# Altium PCB orbital-r1.PcbDoc (part 2 of 3)
Units mm, origin at the board's own origin, x right, y up, seen from the top; angles counter-clockwise.
Board outline 86.5 x 91 mm, 4 copper layers (Top Layer, Layer 1, Layer 2, Bottom Layer), stack 1.586 mm thick; 276 components, 177 nets, 792 pads, 856 vias.
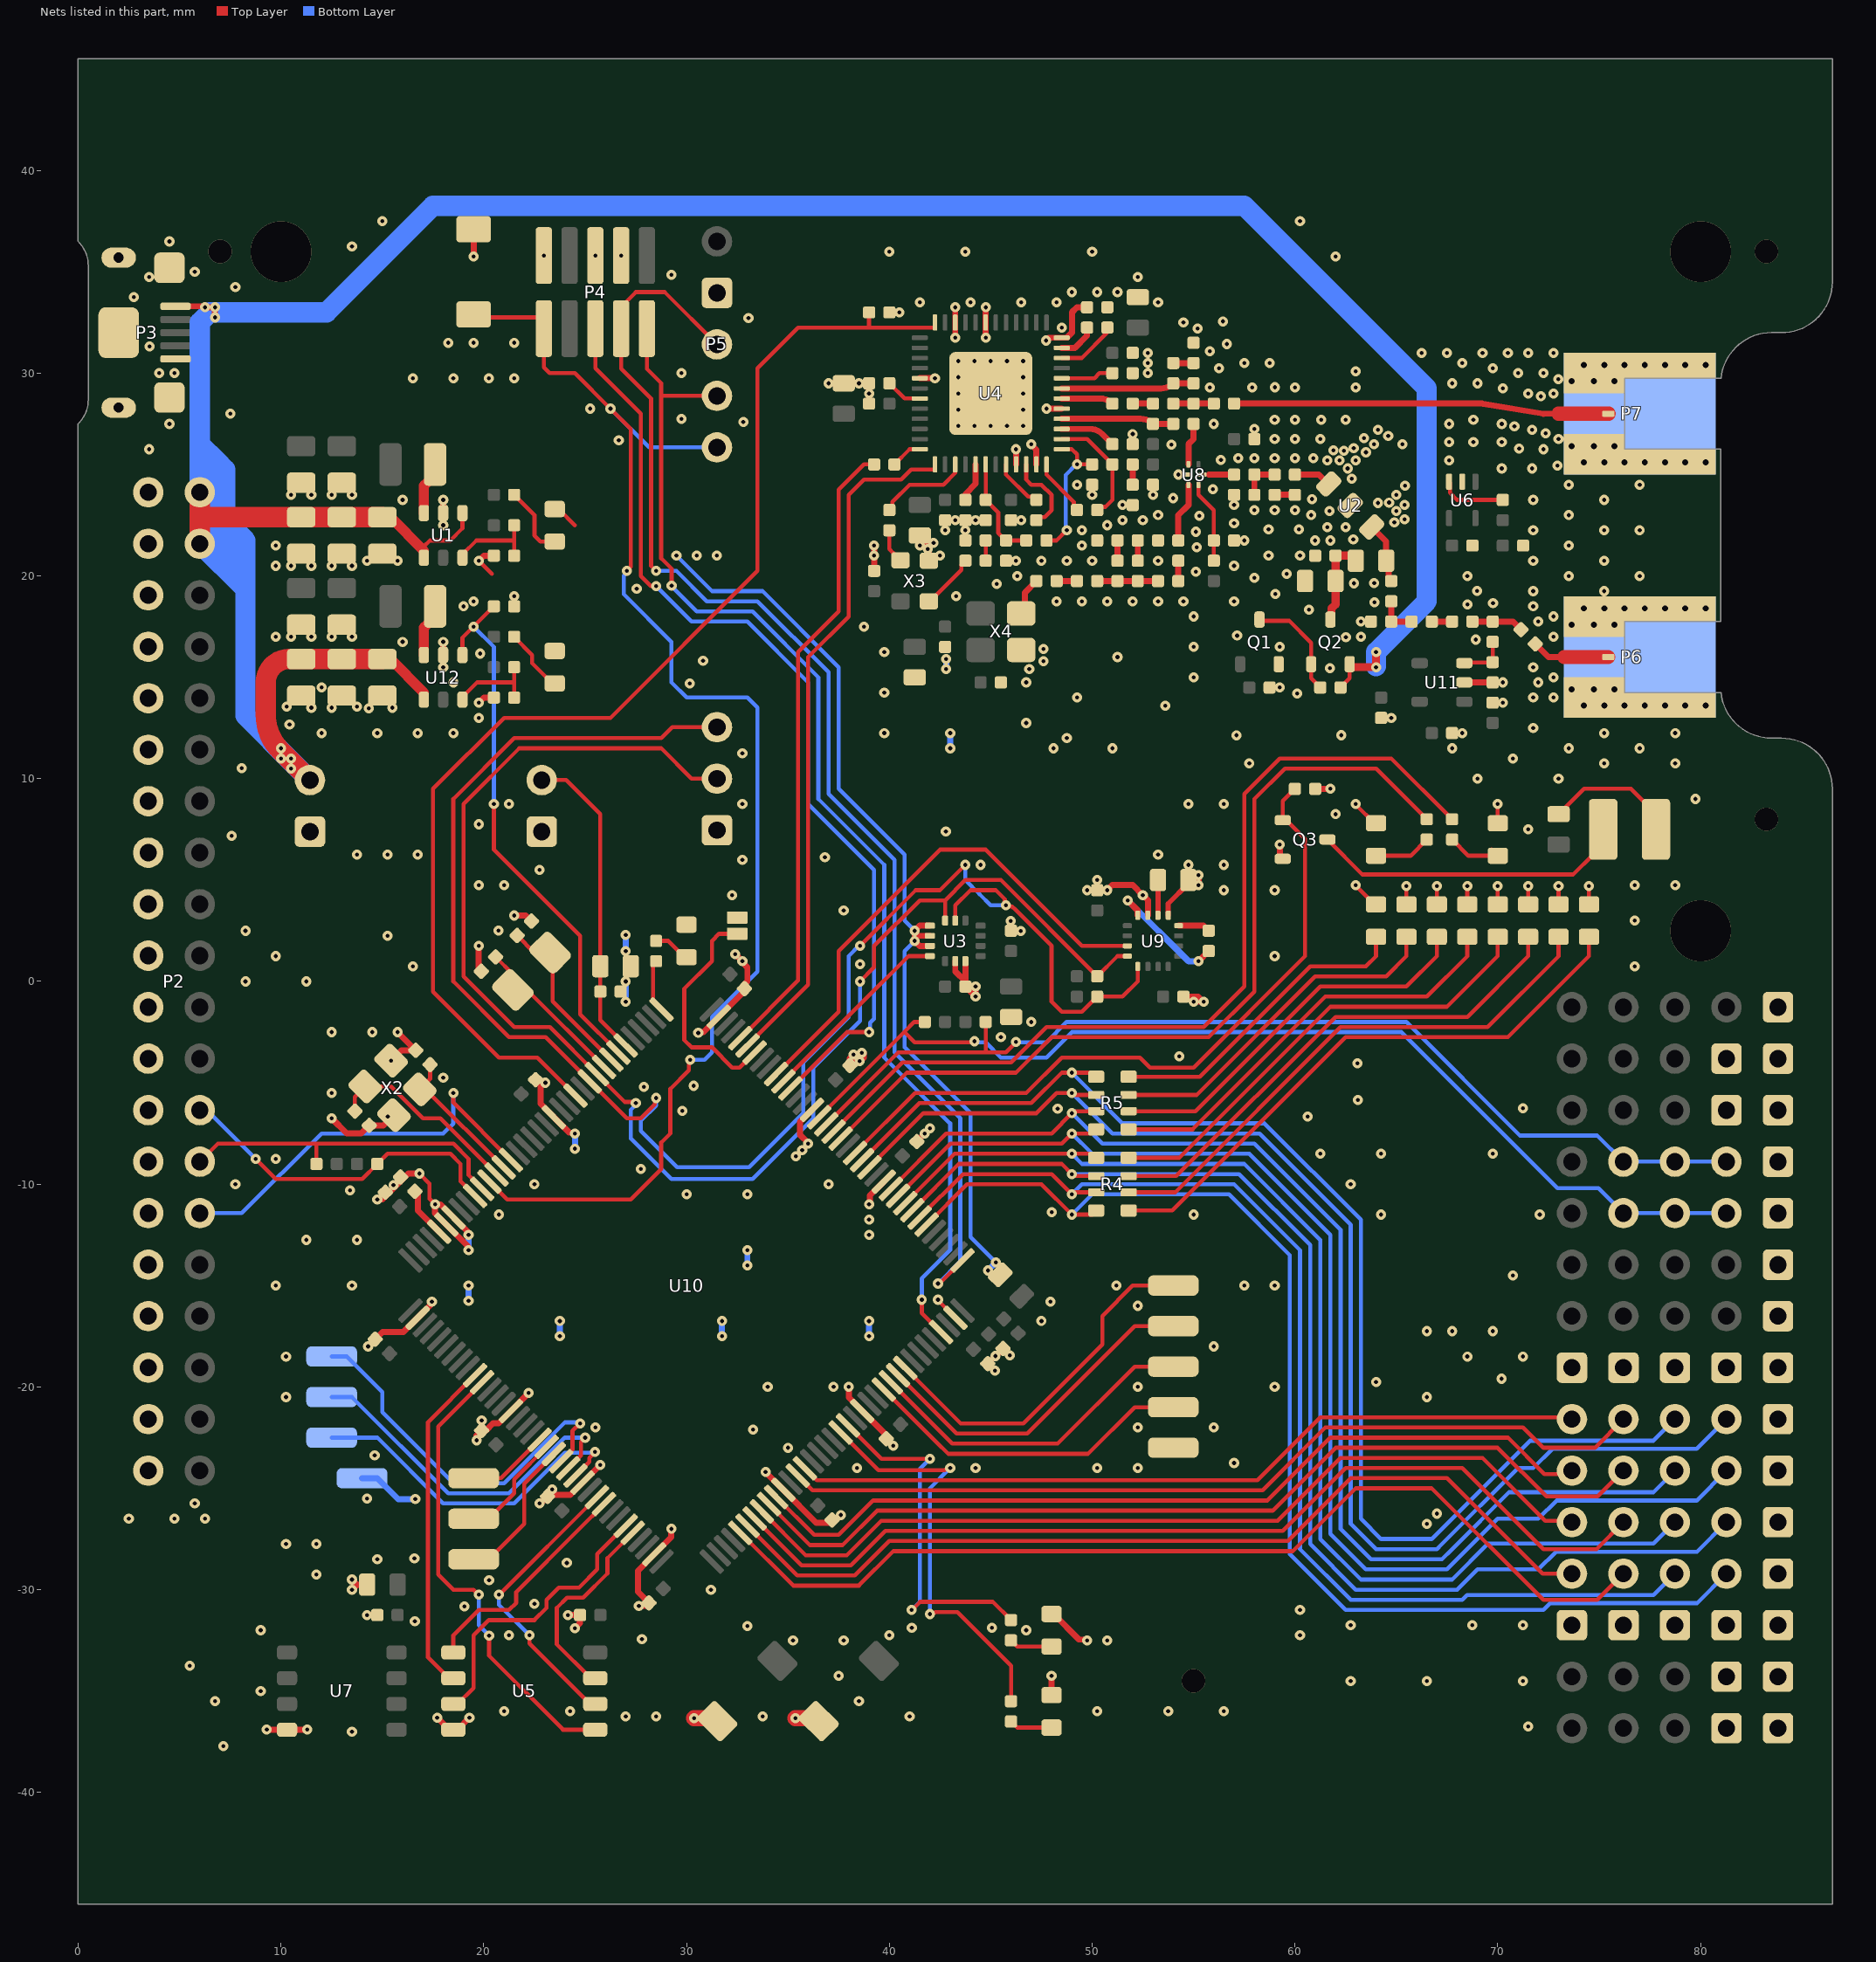
[diagram p4: the nets of this part, all layers, seen from the top]

## Via types
v1: diameter 0.5, hole 0.2, Top Layer to Bottom Layer, tented both sides, 809 vias
v2: diameter 0.7, hole 0.3, Top Layer to Bottom Layer, 40 vias
v3: diameter 1.152, hole 1.152, Top Layer to Bottom Layer, 4 vias
v4: diameter 3, hole 3, Top Layer to Bottom Layer, 3 vias

## Nets (pads, with @x,y where several pads share a name; then routed paths per layer and width w, separated by ;. In a path a pad name is that pad's centre, name@x,y a point inside that pad or via, vN(x,y) a via of type N, cw(c..) or ccw(c..) an arc to the next point about the centre after c; other vN are vias at no path point) (continued)
GND: C1.1 C2.1 C3.1 C4.1 C5.1 C6.1 C7.1 C8.1 C9.2 C10.1 C11.1 C12.1 C13.2 C14.1 C15.1 C16.2 C17.1 C18.2 C19.2 C20.2 C21.2 C23.1 C24.2 C25.1 C26.1 C27.1 C28.1 C29.1 C30.1 C31.1 C32.1 C33.1 C34.1 C35.1 C36.1 C37.1 C38.1 C39.1 C40.1 C41.1 C42.1 C43.1 C44.1 C45.1 C46.1 C49.1 C51.2 C52.2 C53.1 C54.1 C55.1 C57.1 C58.1 C59.2 C60.1 C61.1 C62.1 C63.1 C64.1 C65.2 C66.1 C68.1 C69.1 C73.1 C76.1 C77.1 C80.1 C81.2 D1.1 D2.1 D3.1 D4.1 D5.1 D6.1 D7.1 D8.1 D9.1 D10.1 D11.1 D12.1 D13.1 D14.1 D15.1 J1.2 L11.1 L12.1 P1.2 P2.2 P2.4 P2.6 P2.8 P2.10 P2.12 P2.14 P2.16 P2.18 P2.20 P2.22 P2.24 P2.26 P2.28 P2.30 P2.32 P2.34 P2.36 P2.38 P2.40 P3.0 P3.5 P4.2 P4.3 P4.5 P5.2 P6.0 P7.0 Q1.2 Q3.2 R2.2 R17.2 R19.2 R26.2 R29.2 R31.2 R32.2 R33.2 R34.2 R36.2 R37.2 R38.2 R39.2 R43.2 S1.1 S2.1 S3.1 T1.1 T6.1 T7.1 T11.1 T12.1 T20.1 T28.1 T29.1 T38.1 T43.1 T44.1 T45.1 T46.1 T47.1 T50.1 T51.1 T52.1 T53.1 T54.1 T55.1 T56.1 T69.1 T70.1 T71.1 T72.1 T73.1 T75.1 T77.1 T79.1 T85.1 T86.1 U1.2 U2.2 U3.1 U3.2 U3.3 U3.6 U3.7 U4.0 U4.5 U4.12 U4.19 U4.22 U4.29 U4.45 U4.47 U5.4 U6.2 U7.4 U8.3 U9.9 U9.11 U10.16 U10.30 U10.31 U10.38 U10.51 U10.61 U10.71 U10.83 U10.94 U10.107 U10.120 U10.130 U10.143 U11.2 U12.2 X2.2 X2.4 X3.2 X4.2 | length 183.3
  Top Layer w0.2: v1(16.825,-9.475) 17.322,-9.972 17.322,-10.722 v1(17.6,-11) ; v1(19.75,20.75) 20.4,20.1 ; D13.1@23.5,23.3 23.7,23.3 24.5,22.5 ; v1(42.4,-15.7) 42.4,-15.733 U10.107@43.258,-16.591 ; C65.2@54.75,4.837 C65.2@54.75,5 ; v1(63,4.75) 63,4.722 63.922,3.8 D8.1@64,3.8 ; v1(63,8.75) 63,8.722 63.922,7.8 D15.1@64,7.8 ; D7.1@65.5,3.8 v1(65.5,4.7) ; D6.1@67,3.8 v1(67,4.7) ; D5.1@68.5,3.8 v1(68.5,4.7) ; D4.1@70,3.8 v1(70,4.7) ; D12.1@70,7.8 v1(70,8.75) ; D3.1@71.5,3.8 v1(71.5,4.7) ; D2.1@73,3.8 v1(73,4.7) ; D1.1@74.5,3.8 v1(74.5,4.7)
  Top Layer w0.25: U9.9@53.75,3.263 53.75,3.837 C65.2@54.75,4.837
  Top Layer w0.3: v1(9.3,-36.9) 9.305,-36.905 U7.4@10.3,-36.905 11.295,-36.905 v1(11.3,-36.9) ; v1(12.5,-6.75) 13.25,-7.5 13.957,-7.5 C11.1@14.354,-7.104 15.061,-7.104 X2.4@15.571,-6.594 15.502,-6.662 v1(15.267,-6.662) ; v1(13.5,-30) 13.75,-29.75 ; v1(13.5,-29.5) 13.75,-29.75 ; v1(14.25,-31.25) C18.2@14.75,-31.25 ; C64.1@14.25,-29.75 13.75,-29.75 ; v1(14.3,-18) 15,-17.3 16.033,-17.3 U10.38@16.742,-16.591 17.443,-15.889 v1(17.443,-15.799) ; v1(14.75,-10.75) 15,-10.75 16.275,-9.475 v1(16.825,-9.475) ; v1(15.429,-3.906) 15.939,-3.396 C10.1@16.646,-3.396 v1(15.75,-2.5) ; v1(17.704,-36.313) 18.296,-36.905 U5.4@18.5,-36.905 18.704,-36.905 v1(19.296,-36.313) ; v1(18,15.5) U12.2@18,16.1 v1(18,16.75) ; v1(18,22.5) U1.2@18,23.1 v1(18,23.75) ; v1(19.25,-13.25) 19.212,-13.212 19.212,-13.051 17.6,-11.439 v1(17.6,-11) 17.868,-11 19.212,-12.343 19.212,-12.462 v1(19.25,-12.5) ; v1(19.5,35.75) S1.1@19.5,37.1 ; v1(19.646,-22.632) 19.646,-22.397 C37.1@19.896,-22.146 ; v1(19.75,1.75) 19.75,0.629 C8.1@19.879,0.5 ; v1(19.75,13.75) 20,14 R19.2@20.5,14 ; v1(19.75,20.75) 20,21 R2.2@20.5,21 ; v1(19.896,-21.646) C37.1@19.896,-22.146 ; v1(21.5,3.25) 22.078,3.25 C7.1@22.354,2.975 ; v1(22.211,-20.289) 22.211,-20.314 U10.51@21.338,-21.187 20.736,-21.789 20.461,-21.789 20.104,-22.146 C37.1@19.896,-22.146 ; v1(22.75,-25.75) 22.793,-25.75 C31.1@23.146,-25.396 ; v1(23.038,-4.998) 23,-4.959 22.879,-4.959 22.766,-4.846 C29.1@22.554,-4.846 22.8,-5.093 22.8,-6.032 24.23,-7.462 24.462,-7.462 v1(24.5,-7.5) ; v1(23.378,-25.059) 23.378,-25.165 C31.1@23.146,-25.396 ; v1(24.15,-31.25) C16.2@24.75,-31.25 24.75,-31.65 v1(24.5,-31.9) ; v1(25.75,-23.846) U10.61@24.873,-24.723 24.271,-25.325 23.218,-25.325 C31.1@23.146,-25.396 ; v1(27.65,-30.8) 28.014,-30.8 C38.1@28.154,-30.661 ; C38.1@28.146,-30.654 27.6,-30.107 27.6,-29.067 U10.71@28.409,-28.258 29.25,-27.417 v1(29.25,-27) ; v1(30.579,-2.538) 30.617,-2.5 30.833,-2.5 C32.1@32.854,-0.479 ; v1(32.397,1.35) 32.398,1.35 v1(32.75,1) 32.75,0.946 33,0.696 33,0.005 32.854,-0.141 C32.1@32.854,-0.354 ; v1(33.896,-24.2) U10.83@34.773,-25.076 36.397,-26.7 37.176,-26.7 37.56,-26.317 v1(37.614,-26.317) ; v1(36,-8) 36,-7.974 35.585,-7.56 35.585,-6.94 U10.130@36.187,-6.338 ; v1(37,29.5) C60.1@37.75,29.5 v1(38.5,29.5) C57.1@39,29.5 v1(39,29) C55.1@39,28.5 ; v1(38,-20) 38,-20.525 38.516,-21.041 U10.94@38.662,-21.187 39.846,-22.372 C40.1@39.846,-22.554 ; v1(38.227,-3.607) 38.054,-3.781 C33.1@38.054,-4.146 38.273,-3.927 38.532,-3.927 v1(38.53,-3.925) 38.45,-3.845 38.655,-3.845 38.741,-3.759 38.741,-3.518 v1(38.648,-3.518) ; v1(39,-11) 39.038,-10.962 39.038,-10.558 U10.120@39.723,-9.873 ; C49.1@39.25,20.25 v1(39.25,21) v1(39.25,21.5) ; C40.1@39.854,-22.561 v1(40.196,-22.904) ; C34.1@41.354,-7.896 v1(41.75,-7.5) v1(42,-7.25) ; 41.5,2.25 U3.2@42,2.25 ; v1(41.5,21.5) 41.538,21.538 41.938,21.538 v1@41.95,21.55 ; C62.1@41.5,22 41.65,22 41.9,21.75 41.9,21.6 v1@41.95,21.55 ; U4.29@41.5,29.75 v1(42.25,29.75) ; X3.2@41.95,20.75 v1@41.95,21.55 ; U3.3@42,1.75 41.5,1.75 v1(41.25,2) v1(41.25,2.5) 41.5,2.75 U3.1@42,2.75 ; U3.6@43.25,1 43.25,0.5 C15.1@43.75,0 ; v1(43.25,31.75) v1(43.25,33.25) ; U3.7@43.75,1 C15.1@43.75,0 ; v1(44.75,31.75) U4.19@44.75,32.5 v1(44.75,33.25) ; v1(44.857,-14.257) C63.1@45.2,-14.6 ; C41.1@44.861,-18.861 v1(45.204,-19.204) ; C41.1@44.861,-18.846 45.225,-18.482 v1(45.225,-18.475) 45.232,-18.475 C35.1@45.604,-18.104 v1(45.946,-18.446) ; v1(45.257,-13.857) C63.1@45.6,-14.2 ; U4.45@46.25,25.5 v1(46.25,26.25) ; v1(47,26.5) 47,26.482 47.25,26.232 U4.47@47.25,25.5 ; v1(47.731,31.612) 47.87,31.75 U4.12@48.5,31.75 48.75,31.75 49,32 49,33 49.25,33.25 C54.1@49.75,33.25 ; v1(47.75,28.25) U4.5@48.5,28.25 ; D10.1@48,-35.2 v1(48,-34.25) ; D11.1@48,-31.2 48.1,-31.2 49.362,-32.462 49.712,-32.462 v1(49.75,-32.5) ; v1(50.75,4.5) 51,4.75 52,4.75 v1(52.5,4.25) 52.75,4 U9.11@52.75,3.263 ; C12.1@54.5,-0.75 55.232,-0.75 55.482,-1 v1(55.5,-1) v1(55,-1) ; v1(55.25,4.75) v1(55.25,5.25) ; v1(59.25,6.75) 59.25,6.2 Q3.2@59.4,6.05 ; R36.2@61,9.5 v1(61.75,9.5) ; U11.2@68.35,14.75 R43.2@69.75,14.75 ; C15.1@43.75,-0.25 v1(44.25,-0.75) v1(44.25,-0.25) C15.1@43.75,-0.25 ; C15.1@43.75,-0.25 C15.1@43.75,0
  Top Layer w0.8: v1(30.365,-36.335) S2.1@31.365,-36.335 ; v1(35.365,-36.335) S3.1@36.365,-36.335
  Bottom Layer w0.2: v1(29.5,21) 31.25,19.25 33.75,19.25 37.5,15.5 37.5,9.5 40.75,6.25 40.75,3 v1(41.25,2.5) v1(41.25,2) 40.75,1.5 40.75,-3.25 44,-6.5 44,-12.6 v1(45.257,-13.857)
  Bottom Layer w0.3: T86.1@14,-24.5 14.75,-24.5 15.78,-25.53 v1(16.622,-25.53) ; v1(19.25,-15.75) v1(19.25,-15) ; v1(19.25,-13.25) v1(19.25,-12.5) ; v1(23.75,-17.5) v1(23.75,-16.75) ; v1(24.5,-8.25) v1(24.5,-7.5) ; 27,-0.75 v1(27,0) ; v1@27,1.55 v1(27,2.3) ; v1(31.75,-17.5) v1(31.75,-16.75) ; v1(33,-14) v1(33,-13.25) ; v1(39,-17.5) v1(39,-16.75) ; v1(42.8,15.4) v1(42.8,15.9) ; v1(43,11.5) v1(43,12.25) ; v1(44.857,-14.257) v1(45.257,-13.857)
  other v1: 7.157,-37.719 13.5,-37 71.5,-36.75 27,-36.25 28.5,-36.25 33.75,-36.25 41,-36.25 21,-36 24.25,-36 50.25,-36 53.75,-36 56.5,-36 6.75,-35.5 38.5,-35.5 9,-35 62.75,-34.5 66.5,-34.5 71.25,-34.5 37.5,-34.25 5.5,-33.75 35.25,-32.5 37.75,-32.5 50.75,-32.5 27.8,-32.443 21.25,-32.25 40,-32.25 60.25,-32.25 9,-32 46.75,-32 41.105,-31.875 45.059,-31.877 33,-31.8 62.75,-31.75 68.75,-31.75 71.25,-31.75 16.602,-31.554 60.25,-31 19.047,-30.826 22.5,-30.7 31.2,-30 20.261,-29.538 11.75,-29.25 24.098,-28.68 14.75,-28.5 16.583,-28.457 10.25,-27.75 11.75,-27.75 66.5,-26.75 2.5,-26.5 4.75,-26.5 6.25,-26.5 67,-26.25 5.75,-25.75 14.25,-25.5 38.4,-24 44.25,-24 50.25,-24 52.25,-24 57,-23.75 14.619,-23.368 35,-23 33.286,-22.098 25.5,-22 52.25,-22 56,-22 10.25,-20.5 66.5,-20.5 34,-20 37.25,-20 52.25,-20 59,-20 64,-19.75 70.195,-19.597 10.25,-18.5 68.5,-18.5 71.25,-18.5 56,-18 66.5,-17.25 67.75,-17.25 69.75,-17.25 47.5,-16.75 52.25,-16 47.95,-15.8 9.75,-15 13.5,-15 51.2,-15 57.5,-15 59,-15 70.75,-14.5 11.25,-12.75 13.75,-12.75 39,-12.5 39,-11.75 20.75,-11.5 55,-11.5 64.25,-11.5 72.074,-11.5 48.002,-11.385 30,-10.5 33,-10.5 13.4,-10.3 15.55,-10.05 7.75,-10 22.5,-10 37,-10 62.75,-10 27.75,-9.25 9.75,-8.75 35.383,-8.627 61.25,-8.5 64.25,-8.5 69.75,-8.5 35.702,-8.322 60.627,-6.67 29.789,-6.391 48.301,-6.282 71.25,-6.25 63.103,-5.842 12.5,-5.5 27.903,-5.202 30.349,-5.149 18,-4.75 63.085,-4.043 54.3,-3.7 45.5,-2.75 12.5,-2.5 14.5,-2.5 47,-2 27,-1 8.25,0 11.25,0 16.5,0.75 76.75,0.75 38.561,0.844 9.75,1.25 59,1.25 27,1.5 15.25,2.25 8.25,2.5 46.486,2.486 20.733,2.506 45.986,2.986 76.75,3 37.75,3.5 32.25,4.25 49.75,4.5 56.5,4.5 59,4.5 19.75,4.75 21,4.75 76.75,4.75 78.75,4.75 50.25,5 22.75,5.5 44.5,5.75 54.75,5.75 56.5,5.75 32.75,6 36.822,6.123 13.75,6.25 15.25,6.25 16.75,6.25 53.25,6.25 7.568,7.188 42.785,7.391 71.5,7.5 19.75,7.75 62,8.25 21.25,8.75 32.75,8.75 54.75,8.75 56.5,8.75 79.75,9 69,10 73,10 8.06,10.514 57.75,10.75 75.25,10.75 78.75,10.75 70.75,11 32.75,11.25 48.1,11.5 51,11.5 67.75,11.5 73.5,11.5 77,11.5 48.75,12 57.12,12.142 62.279,12.143 12,12.25 14.75,12.25 16.75,12.25 18.5,12.25 39.75,12.25 68.25,12.25 75.25,12.25 78.75,12.25 71.75,12.5 10.421,12.666 46.75,12.75 19.75,13 64.75,13 14.324,13.469 11.5,13.5 12.5,13.5 15.5,13.5 10.289,13.558 13.742,13.563 53.6,13.6 70.25,13.75 49.25,14 71.75,14 72.75,14 60.113,14.206 39.75,14.25 12,14.5 59.25,14.5 30.155,14.697 18.5,14.75 46.75,14.75 70.25,14.75 72,14.75 55,15 72.75,15 46.9,15.4 61.722,15.448 71.75,15.5 47.6,15.8 30.814,15.819 51.25,16 19.822,16.173 39.75,16.25 47.6,16.4 55,16.5 59.25,16.5 16,16.75 68.918,16.862 62.513,16.973 9.75,17 10.5,17 11.5,17 12.5,17 13.5,17 63.25,17 72.75,17 57.149,17.057 38.75,17.5 63.25,17.75 72,17.75 55,18 72.75,18 60.692,18.342 19,18.5 71.75,18.5 68.504,18.59 69.766,18.657 63.926,18.697 19.5,18.75 48.25,18.75 49.5,18.75 50.75,18.75 52,18.75 53.25,18.75 54.5,18.75 57,18.75 21.5,19 43.3,19 59.04,19.104 68.977,19.256 71.75,19.25 75.25,19.25 27.543,19.373 45.3,19.6 62.905,19.638 63.908,19.647 58,19.9 46.3,20 68.5,20 73.5,20 77,20 59.6,20.1 55.116,20.212 9.75,20.5 10.5,20.5 11.5,20.5 12.5,20.5 13.5,20.5 57,20.5 14.25,20.75 15.75,20.75 46.25,20.75 47.5,20.75 48.75,20.75 50,20.75 53.25,20.75 71.75,20.75 75.25,20.75 30.5,21 31.5,21 42.5,21 58.7,21 60.25,21 41.9,21.322 55.157,21.414 9.75,21.5 49.5,21.5 73.5,21.5 42.181,21.627 57.5,21.75 61,21.75 61.75,21.75 62.879,21.796 55.11,22.181 42.75,22.25 43.75,22.25 49.5,22.25 71.75,22.25 75.25,22.25 77,22.25 58.7,22.3 60.2,22.3 61.6,22.4 62.5,22.4 50.75,22.5 57,22.6 64.901,22.635 43.25,22.75 44.25,22.75 46.5,22.75 51.5,22.75 52.5,22.75 65.4,22.8 55.285,22.959 53.25,23 60.8,23 73.5,23 61.7,23.2 65,23.2 58,23.25 59,23.25 60,23.25 51.5,23.5 57,23.5 65.4,23.5 64.1,23.6 64.644,23.619 16,23.75 71.75,23.75 75.25,23.75 60.839,23.791 53.993,23.836 10.5,24 11.5,24 12.5,24 13.5,24 50,24 53,24 65,24 55.957,24.272 65.435,24.445 49.25,24.5 73.5,24.5 77,24.5 62.8,24.8 54.25,25 62.6,25.3 70.2,25.3 71.7,25.3 72.946,25.443 56.35,25.72 61.6,25.7 62.2,25.7 63,25.7 67.6,25.7 57.2,25.8 58,25.8 59,25.8 60,25.8 60.9,25.8 63.5,26.1 62.408,26.169 61.9,26.2 3.5,26.25 72.25,26.25 62.9,26.3 71.057,26.288 53.907,26.475 63.9,26.5 65.3,26.5 67.6,26.6 68.8,26.6 70.2,26.6 26.66,26.69 59,26.75 60,26.75 61.25,26.75 73,26.75 63.4,26.8 64.6,26.9 52,27 72.355,27.037 64.1,27.2 71.7,27.2 58,27.25 70.824,27.38 43.4,27.4 44.2,27.4 45,27.4 45.8,27.4 46.6,27.4 4.5,27.5 56,27.5 67.6,27.5 70.2,27.5 32.798,27.599 59,27.7 60,27.7 61.3,27.7 62.5,27.7 68.8,27.7 29.75,27.75 7.5,28 43.4,28.2 46.6,28.2 25.25,28.25 72.129,28.857 43.4,29 46.6,29 71.5,29 72.75,29 70.25,29.25 55.8,29.3 57.9,29.3 60,29.3 63,29.3 59.005,29.305 67.75,29.5 69,29.5 72.994,29.702 16.5,29.75 18.5,29.75 20.25,29.75 21.5,29.75 43.4,29.8 46.6,29.8 4,30 4.75,30 29.75,30 52.75,30 71,30 72.25,30 63,30.1 56.25,30.25 69.75,30.25 52.75,30.5 57.5,30.5 58.75,30.5 68.25,30.5 43.4,30.6 44.2,30.6 45,30.6 45.8,30.6 46.6,30.6 52.75,31 66.25,31 67.5,31 69.25,31 70.5,31 71.5,31 72.75,31 55.804,31.083 3.528,31.316 56.65,31.44 18.25,31.5 19.5,31.5 21.5,31.5 55.2,32.21 48.5,32.25 54.5,32.5 56.448,32.556 33.052,32.72 40.5,33 41.5,33.5 44,33.5 46.5,33.5 48.25,33.5 53.25,33.5 2.75,33.75 49,34 50.25,34 51.25,34 7.75,34.25 3.5,34.75 52.25,34.75 29.254,34.848 5.75,35 62,35.75 22.96,35.8 25.5,35.8 26.77,35.8 40,36 43.75,36 50,36 13.5,36.25 4.5,36.5 15,37.5 60.25,37.5
  other v2: 74.25,13.6 75.25,13.6 76.25,13.6 77.25,13.6 78.25,13.6 79.25,13.6 80.25,13.6 73.65,14.4 74.75,14.4 75.75,14.4 73.65,17.6 74.75,17.6 75.75,17.6 74.25,18.4 75.25,18.4 76.25,18.4 77.25,18.4 78.25,18.4 79.25,18.4 80.25,18.4 74.25,25.6 75.25,25.6 76.25,25.6 77.25,25.6 78.25,25.6 79.25,25.6 80.25,25.6 73.65,26.4 74.75,26.4 75.75,26.4 73.65,29.6 74.75,29.6 75.75,29.6 74.25,30.4 75.25,30.4 76.25,30.4 77.25,30.4 78.25,30.4 79.25,30.4 80.25,30.4
  other v3: 55,-34.5 83.25,8 7,36 83.25,36
  other v4: 80,2.5 10,36 80,36
GPIO-ALLGOOD: R10.1 U10.91 | length 20.7
  Top Layer w0.2: U10.91@37.601,-22.248 39.454,-24.1 42.733,-24.1 42.775,-24.057 42.943,-24.057 v1(43,-24) ; v1(42,-31.2) 42.057,-31.143 42.225,-31.143 42.267,-31.1 43.35,-31.1 46,-33.75 R10.1@46,-35.5
  Bottom Layer w0.2: v1(42,-31.2) 42,-25 v1(43,-24)
GPIO-D0: R4.8 T37.1 U10.114 | length 60.5
  Top Layer w0.2: U10.114@41.844,-11.995 43.839,-10 47.5,-10 v1(49,-11.5) 50,-11.5 R4.8@50.2,-11.3
  Bottom Layer w0.2: v1(49,-11.5) 50,-10.5 56.75,-10.5 59.75,-13.5 59.75,-28.25 62.5,-31 72.25,-31 72.585,-30.665 79.825,-30.665 T37.1@81.28,-29.21
GPIO-D1: R4.7 T36.1 U10.115 | length 57.7
  Top Layer w0.2: U10.115@41.49,-11.641 43.632,-9.5 48,-9.5 v1(49,-10.5) 49.1,-10.4 R4.7@50.2,-10.4
  Bottom Layer w0.2: v1(49,-10.5) 49.5,-10 57,-10 60.25,-13.25 60.25,-28 62.75,-30.5 68.25,-30.5 68.485,-30.265 77.685,-30.265 T36.1@78.74,-29.21
GPIO-D2: R4.6 T35.1 U10.116 | length 61.1
  Top Layer w0.2: U10.116@41.137,-11.288 43.425,-9 48.5,-9 v1(49,-9.5) 49.1,-9.6 R4.6@50.2,-9.6
  Bottom Layer w0.2: v1(49,-9.5) 57.25,-9.5 60.75,-13 60.75,-27.75 63,-30 68,-30 69,-29 72,-29 72.874,-28.126 79.824,-28.126 T35.1@81.28,-26.67
GPIO-D3: R4.5 T34.1 U10.117 | length 58.8
  Top Layer w0.2: U10.117@40.783,-10.934 43.217,-8.5 v1(49,-8.5) 50,-8.5 R4.5@50.2,-8.7
  Bottom Layer w0.2: v1(49,-8.5) 49.5,-9 57.5,-9 61.25,-12.75 61.25,-27.5 63.25,-29.5 67.75,-29.5 69.524,-27.726 77.684,-27.726 T34.1@78.74,-26.67
GPIO-D4: R5.8 T33.1 U10.118 | length 63
  Top Layer w0.2: U10.118@40.43,-10.581 43.01,-8 48.5,-8 v1(49,-7.5) 50,-7.5 R5.8@50.2,-7.3
  Bottom Layer w0.2: v1(49,-7.5) 50,-8.5 57.75,-8.5 61.75,-12.5 61.75,-27.25 63.5,-29 67.5,-29 70,-26.5 72,-26.5 72.895,-25.605 79.805,-25.605 T33.1@81.28,-24.13
GPIO-D5: R5.7 T32.1 U10.119 | length 61
  Top Layer w0.2: U10.119@40.076,-10.227 42.803,-7.5 48,-7.5 v1(49,-6.5) 49.1,-6.4 R5.7@50.2,-6.4
  Bottom Layer w0.2: v1(49,-6.5) 50.5,-8 58,-8 62.25,-12.25 62.25,-27 63.75,-28.5 67.25,-28.5 67.75,-28 70.555,-25.195 77.675,-25.195 T32.1@78.74,-24.13